# KiCad board PixelWave.kicad_pcb
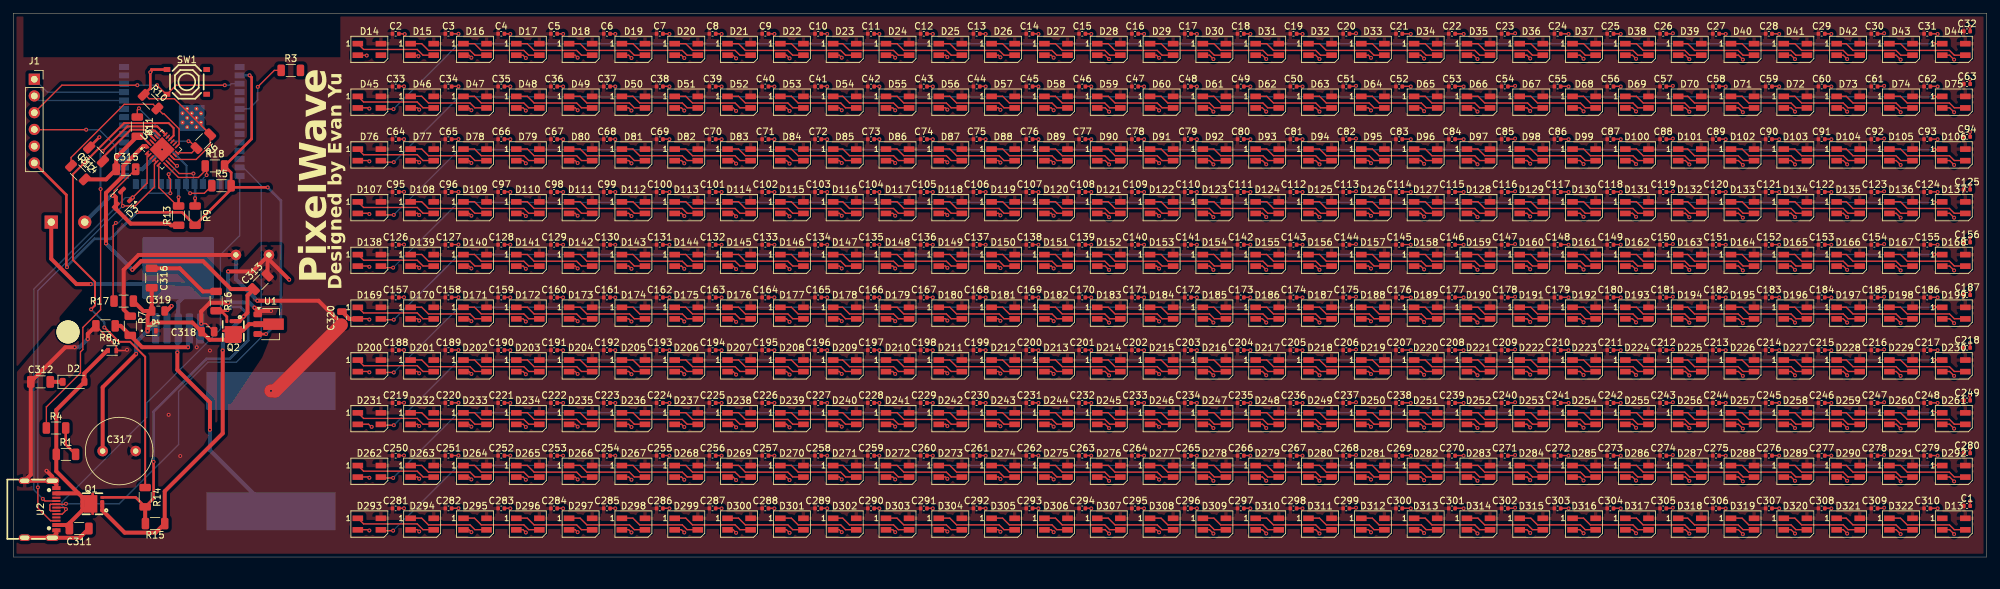
[diagram p0: board, top side]
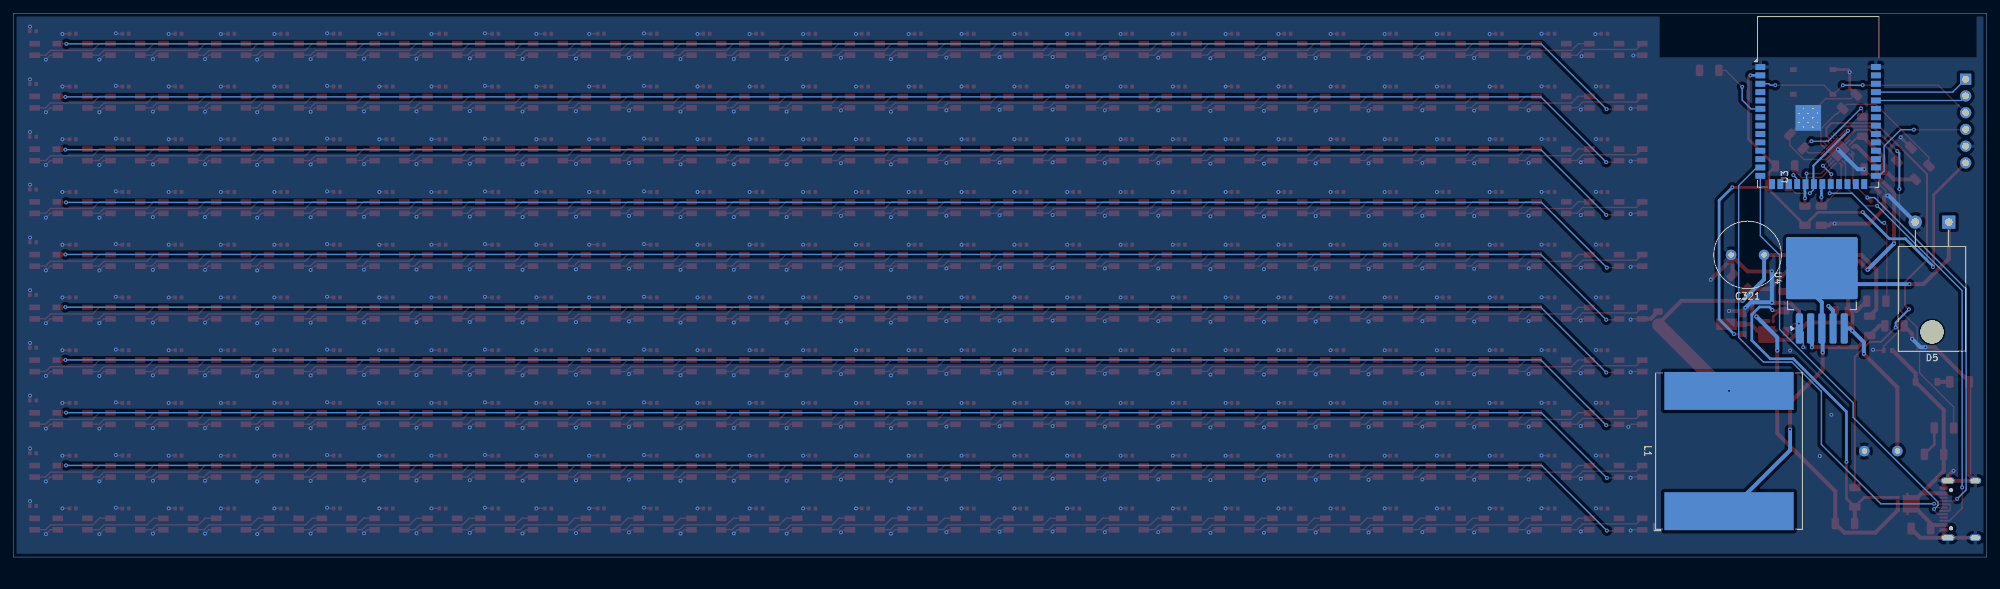
[diagram p1: board, bottom side, seen from below]

Outline 298.95 x 82.5 mm; copper layers: Top, Bottom. Coordinates in mm from the lower left corner of the outline.
Outline path: rectangle 0,82.5 298.95,0
Stack: Top 0.035mm / dielectric 1.51mm FR4 er 4.5 / Bottom 0.035mm

## Placement (name value [footprint] x y rotation side)
C1  0.1uF  [C_0402_1005Metric]  295.95 7.75 0 top
C2  0.1uF  [C_0402_1005Metric]  57.93 79.37 0 top
C3  0.1uF  [C_0402_1005Metric]  65.93 79.37 0 top
C4  0.1uF  [C_0402_1005Metric]  73.93 79.37 0 top
C5  0.1uF  [C_0402_1005Metric]  81.93 79.37 0 top
C6  0.1uF  [C_0402_1005Metric]  89.93 79.37 0 top
C7  0.1uF  [C_0402_1005Metric]  97.93 79.37 0 top
C8  0.1uF  [C_0402_1005Metric]  105.93 79.37 0 top
C9  0.1uF  [C_0402_1005Metric]  113.93 79.37 0 top
C10  0.1uF  [C_0402_1005Metric]  121.93 79.37 0 top
C11  0.1uF  [C_0402_1005Metric]  129.93 79.37 0 top
C12  0.1uF  [C_0402_1005Metric]  137.93 79.37 0 top
C13  0.1uF  [C_0402_1005Metric]  145.93 79.37 0 top
C14  0.1uF  [C_0402_1005Metric]  153.93 79.37 0 top
C15  0.1uF  [C_0402_1005Metric]  161.93 79.37 0 top
C16  0.1uF  [C_0402_1005Metric]  169.93 79.37 0 top
C17  0.1uF  [C_0402_1005Metric]  177.93 79.37 0 top
C18  0.1uF  [C_0402_1005Metric]  185.93 79.37 0 top
C19  0.1uF  [C_0402_1005Metric]  193.93 79.37 0 top
C20  0.1uF  [C_0402_1005Metric]  201.93 79.37 0 top
C21  0.1uF  [C_0402_1005Metric]  209.93 79.37 0 top
C22  0.1uF  [C_0402_1005Metric]  217.93 79.37 0 top
C23  0.1uF  [C_0402_1005Metric]  225.93 79.37 0 top
C24  0.1uF  [C_0402_1005Metric]  233.93 79.37 0 top
C25  0.1uF  [C_0402_1005Metric]  241.93 79.37 0 top
C26  0.1uF  [C_0402_1005Metric]  249.93 79.37 0 top
C27  0.1uF  [C_0402_1005Metric]  257.93 79.37 0 top
C28  0.1uF  [C_0402_1005Metric]  265.93 79.37 0 top
C29  0.1uF  [C_0402_1005Metric]  273.93 79.37 0 top
C30  0.1uF  [C_0402_1005Metric]  281.93 79.37 0 top
C31  0.1uF  [C_0402_1005Metric]  289.93 79.37 0 top
C32  0.1uF  [C_0402_1005Metric]  295.95 79.75 0 top
C33  0.1uF  [C_0402_1005Metric]  57.93 71.37 0 top
C34  0.1uF  [C_0402_1005Metric]  65.93 71.37 0 top
C35  0.1uF  [C_0402_1005Metric]  73.93 71.37 0 top
C36  0.1uF  [C_0402_1005Metric]  81.93 71.37 0 top
C37  0.1uF  [C_0402_1005Metric]  89.93 71.37 0 top
C38  0.1uF  [C_0402_1005Metric]  97.93 71.37 0 top
C39  0.1uF  [C_0402_1005Metric]  105.93 71.37 0 top
C40  0.1uF  [C_0402_1005Metric]  113.93 71.37 0 top
C41  0.1uF  [C_0402_1005Metric]  121.93 71.37 0 top
C42  0.1uF  [C_0402_1005Metric]  129.93 71.37 0 top
C43  0.1uF  [C_0402_1005Metric]  137.93 71.37 0 top
C44  0.1uF  [C_0402_1005Metric]  145.93 71.37 0 top
C45  0.1uF  [C_0402_1005Metric]  153.93 71.37 0 top
C46  0.1uF  [C_0402_1005Metric]  161.93 71.37 0 top
C47  0.1uF  [C_0402_1005Metric]  169.93 71.37 0 top
C48  0.1uF  [C_0402_1005Metric]  177.93 71.37 0 top
C49  0.1uF  [C_0402_1005Metric]  185.93 71.37 0 top
C50  0.1uF  [C_0402_1005Metric]  193.93 71.37 0 top
C51  0.1uF  [C_0402_1005Metric]  201.93 71.37 0 top
C52  0.1uF  [C_0402_1005Metric]  209.93 71.37 0 top
C53  0.1uF  [C_0402_1005Metric]  217.93 71.37 0 top
C54  0.1uF  [C_0402_1005Metric]  225.93 71.37 0 top
C55  0.1uF  [C_0402_1005Metric]  233.93 71.37 0 top
C56  0.1uF  [C_0402_1005Metric]  241.93 71.37 0 top
C57  0.1uF  [C_0402_1005Metric]  249.93 71.37 0 top
C58  0.1uF  [C_0402_1005Metric]  257.93 71.37 0 top
C59  0.1uF  [C_0402_1005Metric]  265.93 71.37 0 top
C60  0.1uF  [C_0402_1005Metric]  273.93 71.37 0 top
C61  0.1uF  [C_0402_1005Metric]  281.93 71.37 0 top
C62  0.1uF  [C_0402_1005Metric]  289.93 71.37 0 top
C63  0.1uF  [C_0402_1005Metric]  295.95 71.75 0 top
C64  0.1uF  [C_0402_1005Metric]  57.93 63.37 0 top
C65  0.1uF  [C_0402_1005Metric]  65.93 63.37 0 top
C66  0.1uF  [C_0402_1005Metric]  73.93 63.37 0 top
C67  0.1uF  [C_0402_1005Metric]  81.93 63.37 0 top
C68  0.1uF  [C_0402_1005Metric]  89.93 63.37 0 top
C69  0.1uF  [C_0402_1005Metric]  97.93 63.37 0 top
C70  0.1uF  [C_0402_1005Metric]  105.93 63.37 0 top
C71  0.1uF  [C_0402_1005Metric]  113.93 63.37 0 top
C72  0.1uF  [C_0402_1005Metric]  121.93 63.37 0 top
C73  0.1uF  [C_0402_1005Metric]  129.93 63.37 0 top
C74  0.1uF  [C_0402_1005Metric]  137.93 63.37 0 top
C75  0.1uF  [C_0402_1005Metric]  145.93 63.37 0 top
C76  0.1uF  [C_0402_1005Metric]  153.93 63.37 0 top
C77  0.1uF  [C_0402_1005Metric]  161.93 63.37 0 top
C78  0.1uF  [C_0402_1005Metric]  169.93 63.37 0 top
C79  0.1uF  [C_0402_1005Metric]  177.93 63.37 0 top
C80  0.1uF  [C_0402_1005Metric]  185.93 63.37 0 top
C81  0.1uF  [C_0402_1005Metric]  193.93 63.37 0 top
C82  0.1uF  [C_0402_1005Metric]  201.93 63.37 0 top
C83  0.1uF  [C_0402_1005Metric]  209.93 63.37 0 top
C84  0.1uF  [C_0402_1005Metric]  217.93 63.37 0 top
C85  0.1uF  [C_0402_1005Metric]  225.93 63.37 0 top
C86  0.1uF  [C_0402_1005Metric]  233.93 63.37 0 top
C87  0.1uF  [C_0402_1005Metric]  241.93 63.37 0 top
C88  0.1uF  [C_0402_1005Metric]  249.93 63.37 0 top
C89  0.1uF  [C_0402_1005Metric]  257.93 63.37 0 top
C90  0.1uF  [C_0402_1005Metric]  265.93 63.37 0 top
C91  0.1uF  [C_0402_1005Metric]  273.93 63.37 0 top
C92  0.1uF  [C_0402_1005Metric]  281.93 63.37 0 top
C93  0.1uF  [C_0402_1005Metric]  289.93 63.37 0 top
C94  0.1uF  [C_0402_1005Metric]  295.95 63.75 0 top
C95  0.1uF  [C_0402_1005Metric]  57.93 55.37 0 top
C96  0.1uF  [C_0402_1005Metric]  65.93 55.37 0 top
C97  0.1uF  [C_0402_1005Metric]  73.93 55.37 0 top
C98  0.1uF  [C_0402_1005Metric]  81.93 55.37 0 top
C99  0.1uF  [C_0402_1005Metric]  89.93 55.37 0 top
C100  0.1uF  [C_0402_1005Metric]  97.93 55.37 0 top
C101  0.1uF  [C_0402_1005Metric]  105.93 55.37 0 top
C102  0.1uF  [C_0402_1005Metric]  113.93 55.37 0 top
C103  0.1uF  [C_0402_1005Metric]  121.93 55.37 0 top
C104  0.1uF  [C_0402_1005Metric]  129.93 55.37 0 top
C105  0.1uF  [C_0402_1005Metric]  137.93 55.37 0 top
C106  0.1uF  [C_0402_1005Metric]  145.93 55.37 0 top
C107  0.1uF  [C_0402_1005Metric]  153.93 55.37 0 top
C108  0.1uF  [C_0402_1005Metric]  161.93 55.37 0 top
C109  0.1uF  [C_0402_1005Metric]  169.93 55.37 0 top
C110  0.1uF  [C_0402_1005Metric]  177.93 55.37 0 top
C111  0.1uF  [C_0402_1005Metric]  185.93 55.37 0 top
C112  0.1uF  [C_0402_1005Metric]  193.93 55.37 0 top
C113  0.1uF  [C_0402_1005Metric]  201.93 55.37 0 top
C114  0.1uF  [C_0402_1005Metric]  209.93 55.37 0 top
C115  0.1uF  [C_0402_1005Metric]  217.93 55.37 0 top
C116  0.1uF  [C_0402_1005Metric]  225.93 55.37 0 top
C117  0.1uF  [C_0402_1005Metric]  233.93 55.37 0 top
C118  0.1uF  [C_0402_1005Metric]  241.93 55.37 0 top
C119  0.1uF  [C_0402_1005Metric]  249.93 55.37 0 top
C120  0.1uF  [C_0402_1005Metric]  257.93 55.37 0 top
C121  0.1uF  [C_0402_1005Metric]  265.93 55.37 0 top
C122  0.1uF  [C_0402_1005Metric]  273.93 55.37 0 top
C123  0.1uF  [C_0402_1005Metric]  281.93 55.37 0 top
C124  0.1uF  [C_0402_1005Metric]  289.93 55.37 0 top
C125  0.1uF  [C_0402_1005Metric]  295.95 55.75 0 top
C126  0.1uF  [C_0402_1005Metric]  57.93 47.37 0 top
C127  0.1uF  [C_0402_1005Metric]  65.93 47.37 0 top
C128  0.1uF  [C_0402_1005Metric]  73.93 47.37 0 top
C129  0.1uF  [C_0402_1005Metric]  81.93 47.37 0 top
C130  0.1uF  [C_0402_1005Metric]  89.93 47.37 0 top
C131  0.1uF  [C_0402_1005Metric]  97.93 47.37 0 top
C132  0.1uF  [C_0402_1005Metric]  105.93 47.37 0 top
C133  0.1uF  [C_0402_1005Metric]  113.93 47.37 0 top
C134  0.1uF  [C_0402_1005Metric]  121.93 47.37 0 top
C135  0.1uF  [C_0402_1005Metric]  129.93 47.37 0 top
C136  0.1uF  [C_0402_1005Metric]  137.93 47.37 0 top
C137  0.1uF  [C_0402_1005Metric]  145.93 47.37 0 top
C138  0.1uF  [C_0402_1005Metric]  153.93 47.37 0 top
C139  0.1uF  [C_0402_1005Metric]  161.93 47.37 0 top
C140  0.1uF  [C_0402_1005Metric]  169.93 47.37 0 top
C141  0.1uF  [C_0402_1005Metric]  177.93 47.37 0 top
C142  0.1uF  [C_0402_1005Metric]  185.93 47.37 0 top
C143  0.1uF  [C_0402_1005Metric]  193.93 47.37 0 top
C144  0.1uF  [C_0402_1005Metric]  201.93 47.37 0 top
C145  0.1uF  [C_0402_1005Metric]  209.93 47.37 0 top
C146  0.1uF  [C_0402_1005Metric]  217.93 47.37 0 top
C147  0.1uF  [C_0402_1005Metric]  225.93 47.37 0 top
C148  0.1uF  [C_0402_1005Metric]  233.93 47.37 0 top
C149  0.1uF  [C_0402_1005Metric]  241.93 47.37 0 top
C150  0.1uF  [C_0402_1005Metric]  249.93 47.37 0 top
C151  0.1uF  [C_0402_1005Metric]  257.93 47.37 0 top
C152  0.1uF  [C_0402_1005Metric]  265.93 47.37 0 top
C153  0.1uF  [C_0402_1005Metric]  273.93 47.37 0 top
C154  0.1uF  [C_0402_1005Metric]  281.93 47.37 0 top
C155  0.1uF  [C_0402_1005Metric]  289.93 47.37 0 top
C156  0.1uF  [C_0402_1005Metric]  295.95 47.75 0 top
C157  0.1uF  [C_0402_1005Metric]  57.93 39.38 0 top
C158  0.1uF  [C_0402_1005Metric]  65.93 39.38 0 top
C159  0.1uF  [C_0402_1005Metric]  73.93 39.38 0 top
C160  0.1uF  [C_0402_1005Metric]  81.93 39.38 0 top
C161  0.1uF  [C_0402_1005Metric]  89.93 39.38 0 top
C162  0.1uF  [C_0402_1005Metric]  97.93 39.38 0 top
C163  0.1uF  [C_0402_1005Metric]  105.93 39.38 0 top
C164  0.1uF  [C_0402_1005Metric]  113.93 39.38 0 top
C165  0.1uF  [C_0402_1005Metric]  121.93 39.38 0 top
C166  0.1uF  [C_0402_1005Metric]  129.93 39.38 0 top
C167  0.1uF  [C_0402_1005Metric]  137.93 39.38 0 top
C168  0.1uF  [C_0402_1005Metric]  145.93 39.38 0 top
C169  0.1uF  [C_0402_1005Metric]  153.93 39.38 0 top
C170  0.1uF  [C_0402_1005Metric]  161.93 39.38 0 top
C171  0.1uF  [C_0402_1005Metric]  169.93 39.38 0 top
C172  0.1uF  [C_0402_1005Metric]  177.93 39.38 0 top
C173  0.1uF  [C_0402_1005Metric]  185.93 39.38 0 top
C174  0.1uF  [C_0402_1005Metric]  193.93 39.38 0 top
C175  0.1uF  [C_0402_1005Metric]  201.93 39.38 0 top
C176  0.1uF  [C_0402_1005Metric]  209.93 39.38 0 top
C177  0.1uF  [C_0402_1005Metric]  217.93 39.38 0 top
C178  0.1uF  [C_0402_1005Metric]  225.93 39.38 0 top
C179  0.1uF  [C_0402_1005Metric]  233.93 39.38 0 top
C180  0.1uF  [C_0402_1005Metric]  241.93 39.38 0 top
C181  0.1uF  [C_0402_1005Metric]  249.93 39.38 0 top
C182  0.1uF  [C_0402_1005Metric]  257.93 39.38 0 top
C183  0.1uF  [C_0402_1005Metric]  265.93 39.38 0 top
C184  0.1uF  [C_0402_1005Metric]  273.93 39.38 0 top
C185  0.1uF  [C_0402_1005Metric]  281.93 39.38 0 top
C186  0.1uF  [C_0402_1005Metric]  289.93 39.38 0 top
C187  0.1uF  [C_0402_1005Metric]  295.95 39.75 0 top
C188  0.1uF  [C_0402_1005Metric]  57.93 31.38 0 top
C189  0.1uF  [C_0402_1005Metric]  65.93 31.38 0 top
C190  0.1uF  [C_0402_1005Metric]  73.93 31.38 0 top
C191  0.1uF  [C_0402_1005Metric]  81.93 31.38 0 top
C192  0.1uF  [C_0402_1005Metric]  89.93 31.38 0 top
C193  0.1uF  [C_0402_1005Metric]  97.93 31.38 0 top
C194  0.1uF  [C_0402_1005Metric]  105.93 31.38 0 top
C195  0.1uF  [C_0402_1005Metric]  113.93 31.38 0 top
C196  0.1uF  [C_0402_1005Metric]  121.93 31.38 0 top
C197  0.1uF  [C_0402_1005Metric]  129.93 31.38 0 top
C198  0.1uF  [C_0402_1005Metric]  137.93 31.38 0 top
C199  0.1uF  [C_0402_1005Metric]  145.93 31.38 0 top
C200  0.1uF  [C_0402_1005Metric]  153.93 31.38 0 top
C201  0.1uF  [C_0402_1005Metric]  161.93 31.38 0 top
C202  0.1uF  [C_0402_1005Metric]  169.93 31.38 0 top
C203  0.1uF  [C_0402_1005Metric]  177.93 31.38 0 top
C204  0.1uF  [C_0402_1005Metric]  185.93 31.38 0 top
C205  0.1uF  [C_0402_1005Metric]  193.93 31.38 0 top
C206  0.1uF  [C_0402_1005Metric]  201.93 31.38 0 top
C207  0.1uF  [C_0402_1005Metric]  209.93 31.38 0 top
C208  0.1uF  [C_0402_1005Metric]  217.93 31.38 0 top
C209  0.1uF  [C_0402_1005Metric]  225.93 31.38 0 top
C210  0.1uF  [C_0402_1005Metric]  233.93 31.38 0 top
C211  0.1uF  [C_0402_1005Metric]  241.93 31.38 0 top
C212  0.1uF  [C_0402_1005Metric]  249.93 31.38 0 top
C213  0.1uF  [C_0402_1005Metric]  257.93 31.38 0 top
C214  0.1uF  [C_0402_1005Metric]  265.93 31.38 0 top
C215  0.1uF  [C_0402_1005Metric]  273.93 31.38 0 top
C216  0.1uF  [C_0402_1005Metric]  281.93 31.38 0 top
C217  0.1uF  [C_0402_1005Metric]  289.93 31.38 0 top
C218  0.1uF  [C_0402_1005Metric]  295.95 31.75 0 top
C219  0.1uF  [C_0402_1005Metric]  57.93 23.38 0 top
C220  0.1uF  [C_0402_1005Metric]  65.93 23.38 0 top
C221  0.1uF  [C_0402_1005Metric]  73.93 23.38 0 top
C222  0.1uF  [C_0402_1005Metric]  81.93 23.38 0 top
C223  0.1uF  [C_0402_1005Metric]  89.93 23.38 0 top
C224  0.1uF  [C_0402_1005Metric]  97.93 23.38 0 top
C225  0.1uF  [C_0402_1005Metric]  105.93 23.38 0 top
C226  0.1uF  [C_0402_1005Metric]  113.93 23.38 0 top
C227  0.1uF  [C_0402_1005Metric]  121.93 23.38 0 top
C228  0.1uF  [C_0402_1005Metric]  129.93 23.38 0 top
C229  0.1uF  [C_0402_1005Metric]  137.93 23.38 0 top
C230  0.1uF  [C_0402_1005Metric]  145.93 23.38 0 top
C231  0.1uF  [C_0402_1005Metric]  153.93 23.38 0 top
C232  0.1uF  [C_0402_1005Metric]  161.93 23.38 0 top
C233  0.1uF  [C_0402_1005Metric]  169.93 23.38 0 top
C234  0.1uF  [C_0402_1005Metric]  177.93 23.38 0 top
C235  0.1uF  [C_0402_1005Metric]  185.93 23.38 0 top
C236  0.1uF  [C_0402_1005Metric]  193.93 23.38 0 top
C237  0.1uF  [C_0402_1005Metric]  201.93 23.38 0 top
C238  0.1uF  [C_0402_1005Metric]  209.93 23.38 0 top
C239  0.1uF  [C_0402_1005Metric]  217.93 23.38 0 top
C240  0.1uF  [C_0402_1005Metric]  225.93 23.38 0 top
C241  0.1uF  [C_0402_1005Metric]  233.93 23.38 0 top
C242  0.1uF  [C_0402_1005Metric]  241.93 23.38 0 top
C243  0.1uF  [C_0402_1005Metric]  249.93 23.38 0 top
C244  0.1uF  [C_0402_1005Metric]  257.93 23.38 0 top
C245  0.1uF  [C_0402_1005Metric]  265.93 23.38 0 top
C246  0.1uF  [C_0402_1005Metric]  273.93 23.38 0 top
C247  0.1uF  [C_0402_1005Metric]  281.93 23.38 0 top
C248  0.1uF  [C_0402_1005Metric]  289.93 23.38 0 top
C249  0.1uF  [C_0402_1005Metric]  295.95 23.75 0 top
C250  0.1uF  [C_0402_1005Metric]  57.93 15.38 0 top
C251  0.1uF  [C_0402_1005Metric]  65.93 15.38 0 top
C252  0.1uF  [C_0402_1005Metric]  73.93 15.38 0 top
C253  0.1uF  [C_0402_1005Metric]  81.93 15.38 0 top
C254  0.1uF  [C_0402_1005Metric]  89.93 15.38 0 top
C255  0.1uF  [C_0402_1005Metric]  97.93 15.38 0 top
C256  0.1uF  [C_0402_1005Metric]  105.93 15.38 0 top
C257  0.1uF  [C_0402_1005Metric]  113.93 15.38 0 top
C258  0.1uF  [C_0402_1005Metric]  121.93 15.38 0 top
C259  0.1uF  [C_0402_1005Metric]  129.93 15.38 0 top
C260  0.1uF  [C_0402_1005Metric]  137.93 15.38 0 top
C261  0.1uF  [C_0402_1005Metric]  145.93 15.38 0 top
C262  0.1uF  [C_0402_1005Metric]  153.93 15.38 0 top
C263  0.1uF  [C_0402_1005Metric]  161.93 15.38 0 top
C264  0.1uF  [C_0402_1005Metric]  169.93 15.38 0 top
C265  0.1uF  [C_0402_1005Metric]  177.93 15.38 0 top
C266  0.1uF  [C_0402_1005Metric]  185.93 15.38 0 top
C267  0.1uF  [C_0402_1005Metric]  193.93 15.38 0 top
C268  0.1uF  [C_0402_1005Metric]  201.93 15.38 0 top
C269  0.1uF  [C_0402_1005Metric]  209.93 15.38 0 top
C270  0.1uF  [C_0402_1005Metric]  217.93 15.38 0 top
C271  0.1uF  [C_0402_1005Metric]  225.93 15.38 0 top
C272  0.1uF  [C_0402_1005Metric]  233.93 15.38 0 top
C273  0.1uF  [C_0402_1005Metric]  241.93 15.38 0 top
C274  0.1uF  [C_0402_1005Metric]  249.93 15.38 0 top
C275  0.1uF  [C_0402_1005Metric]  257.93 15.38 0 top
C276  0.1uF  [C_0402_1005Metric]  265.93 15.38 0 top
C277  0.1uF  [C_0402_1005Metric]  273.93 15.38 0 top
C278  0.1uF  [C_0402_1005Metric]  281.93 15.38 0 top
C279  0.1uF  [C_0402_1005Metric]  289.93 15.38 0 top
C280  0.1uF  [C_0402_1005Metric]  295.95 15.75 0 top
C281  0.1uF  [C_0402_1005Metric]  57.93 7.38 0 top
C282  0.1uF  [C_0402_1005Metric]  65.93 7.38 0 top
C283  0.1uF  [C_0402_1005Metric]  73.93 7.38 0 top
C284  0.1uF  [C_0402_1005Metric]  81.93 7.38 0 top
C285  0.1uF  [C_0402_1005Metric]  89.93 7.38 0 top
C286  0.1uF  [C_0402_1005Metric]  97.93 7.38 0 top
C287  0.1uF  [C_0402_1005Metric]  105.93 7.38 0 top
C288  0.1uF  [C_0402_1005Metric]  113.93 7.38 0 top
C289  0.1uF  [C_0402_1005Metric]  121.93 7.38 0 top
C290  0.1uF  [C_0402_1005Metric]  129.93 7.38 0 top
C291  0.1uF  [C_0402_1005Metric]  137.93 7.38 0 top
C292  0.1uF  [C_0402_1005Metric]  145.93 7.38 0 top
C293  0.1uF  [C_0402_1005Metric]  153.93 7.38 0 top
C294  0.1uF  [C_0402_1005Metric]  161.93 7.38 0 top
C295  0.1uF  [C_0402_1005Metric]  169.93 7.38 0 top
C296  0.1uF  [C_0402_1005Metric]  177.93 7.38 0 top
C297  0.1uF  [C_0402_1005Metric]  185.93 7.38 0 top
C298  0.1uF  [C_0402_1005Metric]  193.93 7.38 0 top
C299  0.1uF  [C_0402_1005Metric]  201.93 7.38 0 top
C300  0.1uF  [C_0402_1005Metric]  209.93 7.38 0 top
C301  0.1uF  [C_0402_1005Metric]  217.93 7.38 0 top
C302  0.1uF  [C_0402_1005Metric]  225.93 7.38 0 top
C303  0.1uF  [C_0402_1005Metric]  233.93 7.38 0 top
C304  0.1uF  [C_0402_1005Metric]  241.93 7.38 0 top
C305  0.1uF  [C_0402_1005Metric]  249.93 7.38 0 top
C306  0.1uF  [C_0402_1005Metric]  257.93 7.38 0 top
C307  0.1uF  [C_0402_1005Metric]  265.93 7.38 0 top
C308  0.1uF  [C_0402_1005Metric]  273.93 7.38 0 top
C309  0.1uF  [C_0402_1005Metric]  281.93 7.38 0 top
C310  0.1uF  [C_0402_1005Metric]  289.93 7.38 0 top
C311  4.7uF  [C_1206_3216Metric]  9.99 4.32 0 top
C312  1uF  [C_1206_3216Metric]  4.14 26.57 0 top
C313  1uF  [C_1206_3216Metric]  37.49 41.68 45 top
C314  1uF  [C_1206_3216Metric]  12.55 61.07 135 top
C315  1uF  [C_1206_3216Metric]  17.08 58.82 0 top
C316  100nF  [C_1206_3216Metric]  20.99 42.32 270 top
C317  470uF/50V  [C_Radial_D10.0mm_H16.0mm_P5.00mm]  13.55 16.07 0 top
C318  1uF  [C_0805_2012Metric]  29.49 34.19 0 top
C319  1uF  [C_0805_2012Metric]  21.99 37.32 0 top
C320  1uF  [C_0805_2012Metric]  49.8 36.27 90 top
C321  1000uF  [C_Radial_D10.0mm_H16.0mm_P5.00mm]  33.74 45.82 0 bottom
D1  ESDA25P35  [TVS_ESDA25P35-1U1M]  14.99 31.32 0 top
D2  1N5819W  [D_SOD-123]  9.14 26.57 0 top
D3  ESDA5V3L  [SOT-23-3]  16.35 54.13 225 top
D4  ESDA25P35  [TVS_ESDA25P35-1U1M]  20.99 34.32 0 top
D5  MBR1545  [TO-220-2_Horizontal_TabDown]  5.76 50.8 0 bottom
D13  SK6812  [LED_SK6812MINI_PLCC4_3.5x3.5mm_P1.75mm]  293.95 5 0 top
D14  SK6812  [LED_SK6812MINI_PLCC4_3.5x3.5mm_P1.75mm]  53.95 77 0 top
D15  SK6812  [LED_SK6812MINI_PLCC4_3.5x3.5mm_P1.75mm]  61.95 77 0 top
D16  SK6812  [LED_SK6812MINI_PLCC4_3.5x3.5mm_P1.75mm]  69.95 77 0 top
D17  SK6812  [LED_SK6812MINI_PLCC4_3.5x3.5mm_P1.75mm]  77.95 77 0 top
D18  SK6812  [LED_SK6812MINI_PLCC4_3.5x3.5mm_P1.75mm]  85.95 77 0 top
D19  SK6812  [LED_SK6812MINI_PLCC4_3.5x3.5mm_P1.75mm]  93.95 77 0 top
D20  SK6812  [LED_SK6812MINI_PLCC4_3.5x3.5mm_P1.75mm]  101.95 77 0 top
D21  SK6812  [LED_SK6812MINI_PLCC4_3.5x3.5mm_P1.75mm]  109.95 77 0 top
D22  SK6812  [LED_SK6812MINI_PLCC4_3.5x3.5mm_P1.75mm]  117.95 77 0 top
D23  SK6812  [LED_SK6812MINI_PLCC4_3.5x3.5mm_P1.75mm]  125.95 77 0 top
D24  SK6812  [LED_SK6812MINI_PLCC4_3.5x3.5mm_P1.75mm]  133.95 77 0 top
D25  SK6812  [LED_SK6812MINI_PLCC4_3.5x3.5mm_P1.75mm]  141.95 77 0 top
D26  SK6812  [LED_SK6812MINI_PLCC4_3.5x3.5mm_P1.75mm]  149.95 77 0 top
D27  SK6812  [LED_SK6812MINI_PLCC4_3.5x3.5mm_P1.75mm]  157.95 77 0 top
D28  SK6812  [LED_SK6812MINI_PLCC4_3.5x3.5mm_P1.75mm]  165.95 77 0 top
D29  SK6812  [LED_SK6812MINI_PLCC4_3.5x3.5mm_P1.75mm]  173.95 77 0 top
D30  SK6812  [LED_SK6812MINI_PLCC4_3.5x3.5mm_P1.75mm]  181.95 77 0 top
D31  SK6812  [LED_SK6812MINI_PLCC4_3.5x3.5mm_P1.75mm]  189.95 77 0 top
D32  SK6812  [LED_SK6812MINI_PLCC4_3.5x3.5mm_P1.75mm]  197.95 77 0 top
D33  SK6812  [LED_SK6812MINI_PLCC4_3.5x3.5mm_P1.75mm]  205.95 77 0 top
D34  SK6812  [LED_SK6812MINI_PLCC4_3.5x3.5mm_P1.75mm]  213.95 77 0 top
D35  SK6812  [LED_SK6812MINI_PLCC4_3.5x3.5mm_P1.75mm]  221.95 77 0 top
D36  SK6812  [LED_SK6812MINI_PLCC4_3.5x3.5mm_P1.75mm]  229.95 77 0 top
D37  SK6812  [LED_SK6812MINI_PLCC4_3.5x3.5mm_P1.75mm]  237.95 77 0 top
D38  SK6812  [LED_SK6812MINI_PLCC4_3.5x3.5mm_P1.75mm]  245.95 77 0 top
D39  SK6812  [LED_SK6812MINI_PLCC4_3.5x3.5mm_P1.75mm]  253.95 77 0 top
D40  SK6812  [LED_SK6812MINI_PLCC4_3.5x3.5mm_P1.75mm]  261.95 77 0 top
D41  SK6812  [LED_SK6812MINI_PLCC4_3.5x3.5mm_P1.75mm]  269.95 77 0 top
D42  SK6812  [LED_SK6812MINI_PLCC4_3.5x3.5mm_P1.75mm]  277.95 77 0 top
D43  SK6812  [LED_SK6812MINI_PLCC4_3.5x3.5mm_P1.75mm]  285.95 77 0 top
D44  SK6812  [LED_SK6812MINI_PLCC4_3.5x3.5mm_P1.75mm]  293.95 77 0 top
D45  SK6812  [LED_SK6812MINI_PLCC4_3.5x3.5mm_P1.75mm]  53.95 69 0 top
D46  SK6812  [LED_SK6812MINI_PLCC4_3.5x3.5mm_P1.75mm]  61.95 69 0 top
D47  SK6812  [LED_SK6812MINI_PLCC4_3.5x3.5mm_P1.75mm]  69.95 69 0 top
D48  SK6812  [LED_SK6812MINI_PLCC4_3.5x3.5mm_P1.75mm]  77.95 69 0 top
D49  SK6812  [LED_SK6812MINI_PLCC4_3.5x3.5mm_P1.75mm]  85.95 69 0 top
D50  SK6812  [LED_SK6812MINI_PLCC4_3.5x3.5mm_P1.75mm]  93.95 69 0 top
D51  SK6812  [LED_SK6812MINI_PLCC4_3.5x3.5mm_P1.75mm]  101.95 69 0 top
D52  SK6812  [LED_SK6812MINI_PLCC4_3.5x3.5mm_P1.75mm]  109.95 69 0 top
D53  SK6812  [LED_SK6812MINI_PLCC4_3.5x3.5mm_P1.75mm]  117.95 69 0 top
D54  SK6812  [LED_SK6812MINI_PLCC4_3.5x3.5mm_P1.75mm]  125.95 69 0 top
D55  SK6812  [LED_SK6812MINI_PLCC4_3.5x3.5mm_P1.75mm]  133.95 69 0 top
D56  SK6812  [LED_SK6812MINI_PLCC4_3.5x3.5mm_P1.75mm]  141.95 69 0 top
D57  SK6812  [LED_SK6812MINI_PLCC4_3.5x3.5mm_P1.75mm]  149.95 69 0 top
D58  SK6812  [LED_SK6812MINI_PLCC4_3.5x3.5mm_P1.75mm]  157.95 69 0 top
D59  SK6812  [LED_SK6812MINI_PLCC4_3.5x3.5mm_P1.75mm]  165.95 69 0 top
D60  SK6812  [LED_SK6812MINI_PLCC4_3.5x3.5mm_P1.75mm]  173.95 69 0 top
D61  SK6812  [LED_SK6812MINI_PLCC4_3.5x3.5mm_P1.75mm]  181.95 69 0 top
D62  SK6812  [LED_SK6812MINI_PLCC4_3.5x3.5mm_P1.75mm]  189.95 69 0 top
D63  SK6812  [LED_SK6812MINI_PLCC4_3.5x3.5mm_P1.75mm]  197.95 69 0 top
D64  SK6812  [LED_SK6812MINI_PLCC4_3.5x3.5mm_P1.75mm]  205.95 69 0 top
D65  SK6812  [LED_SK6812MINI_PLCC4_3.5x3.5mm_P1.75mm]  213.95 69 0 top
D66  SK6812  [LED_SK6812MINI_PLCC4_3.5x3.5mm_P1.75mm]  221.95 69 0 top
D67  SK6812  [LED_SK6812MINI_PLCC4_3.5x3.5mm_P1.75mm]  229.95 69 0 top
D68  SK6812  [LED_SK6812MINI_PLCC4_3.5x3.5mm_P1.75mm]  237.95 69 0 top
D69  SK6812  [LED_SK6812MINI_PLCC4_3.5x3.5mm_P1.75mm]  245.95 69 0 top
D70  SK6812  [LED_SK6812MINI_PLCC4_3.5x3.5mm_P1.75mm]  253.95 69 0 top
D71  SK6812  [LED_SK6812MINI_PLCC4_3.5x3.5mm_P1.75mm]  261.95 69 0 top
D72  SK6812  [LED_SK6812MINI_PLCC4_3.5x3.5mm_P1.75mm]  269.95 69 0 top
D73  SK6812  [LED_SK6812MINI_PLCC4_3.5x3.5mm_P1.75mm]  277.95 69 0 top
D74  SK6812  [LED_SK6812MINI_PLCC4_3.5x3.5mm_P1.75mm]  285.95 69 0 top
D75  SK6812  [LED_SK6812MINI_PLCC4_3.5x3.5mm_P1.75mm]  293.95 69 0 top
D76  SK6812  [LED_SK6812MINI_PLCC4_3.5x3.5mm_P1.75mm]  53.95 61 0 top
D77  SK6812  [LED_SK6812MINI_PLCC4_3.5x3.5mm_P1.75mm]  61.95 61 0 top
D78  SK6812  [LED_SK6812MINI_PLCC4_3.5x3.5mm_P1.75mm]  69.95 61 0 top
D79  SK6812  [LED_SK6812MINI_PLCC4_3.5x3.5mm_P1.75mm]  77.95 61 0 top
D80  SK6812  [LED_SK6812MINI_PLCC4_3.5x3.5mm_P1.75mm]  85.95 61 0 top
D81  SK6812  [LED_SK6812MINI_PLCC4_3.5x3.5mm_P1.75mm]  93.95 61 0 top
D82  SK6812  [LED_SK6812MINI_PLCC4_3.5x3.5mm_P1.75mm]  101.95 61 0 top
D83  SK6812  [LED_SK6812MINI_PLCC4_3.5x3.5mm_P1.75mm]  109.95 61 0 top
D84  SK6812  [LED_SK6812MINI_PLCC4_3.5x3.5mm_P1.75mm]  117.95 61 0 top
D85  SK6812  [LED_SK6812MINI_PLCC4_3.5x3.5mm_P1.75mm]  125.95 61 0 top